# Altium PCB ESC_STM32.PcbDoc (part 1 of 2) (continued)
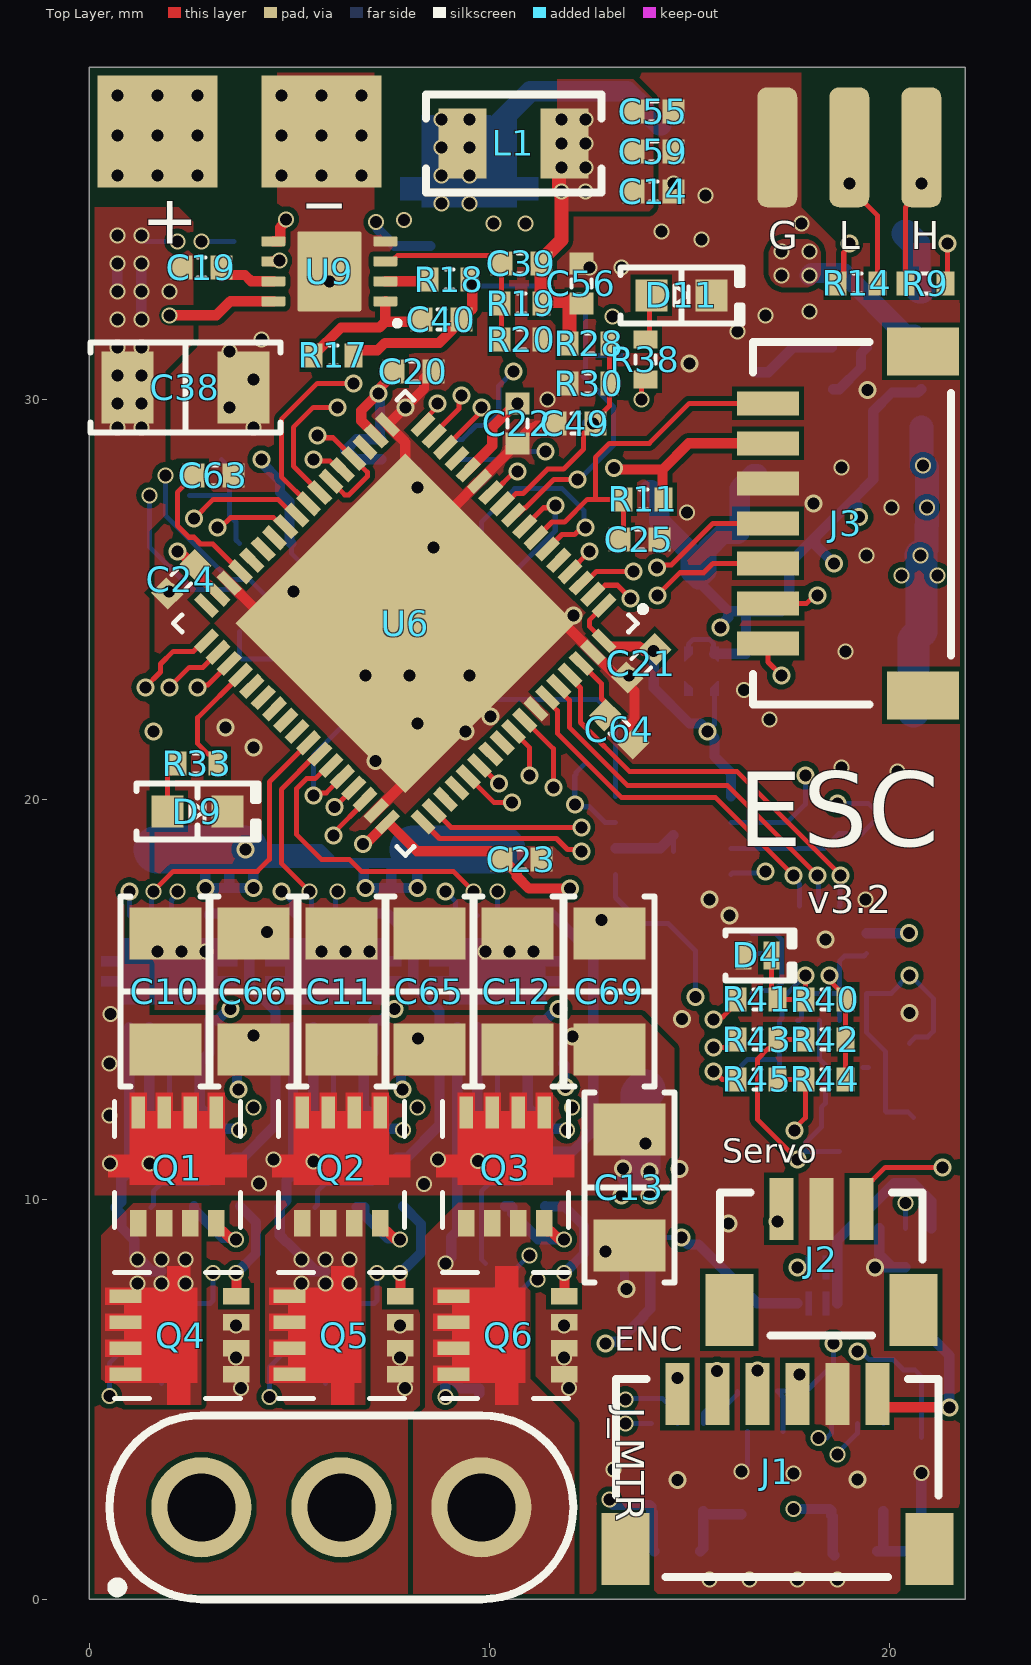
[diagram p0: Top Layer view]
## Part data (continued)
C29 C30 C62: library part C0603B476M007T, "CAP CER 47UF 6.3V X5R 0603", Capacitance="47 µF", Device Package="0603 (1608 Metric)", Manufacturer="Holy Stone Enterprise Co., Ltd.", Operating Temperature="-55°C ~ 85°C", Supplier Part Number 1=4587-C0603B476M007TCT-ND, Temperature Coefficient=X5R, Tolerance=±20%, Voltage - Rated=6.3V, Applications="SMPS Filtering", ComponentLink1Description=Datasheet, ComponentLink1URL=https://media.digikey.com/pdf/Data%20Sheets/Holy%20Stone/HCC_Series_DS.pdf, ComponentLink2Description="DigiKey Link", ComponentLink2URL=https://www.digikey.com/en/products/detail/holy-stone-enterprise-co-ltd/C0603B476M007T/16895203, LastUpdated="2/9/2024 8:09:41 PM", Lifecycle Status=Active, Minimum Order=1, Mounting Type="Surface Mount, MLCC", Package / Case="0603 (1608 Metric)", Packaging=TapeAndReel, Part Number=C0603B476M007T, Part Status=Active, PartId=48531, Price=0.12, Series=HCC, Size / Dimension="0.063\" L x 0.031\" W (1.60mm x 0.80mm)", Supplier 1=DigiKey, Thickness (Max)="0.039\" (1.00mm)"
C31: library part C0402C104K4RACAUTO, "CAP CER 0.1UF 16V X7R 0402", Device Package="0402 (1005 Metric)", Manufacturer=KEMET, Operating Temperature="-55°C ~ 125°C", Ratings=AEC-Q200, Supplier Part Number 1=399-6828-1-ND, Temperature Coefficient=X7R, Tolerance=±10%, Voltage - Rated=16V, Applications="Automotive, Bypass, Decoupling", Capacitance="0.1 µF", ComponentLink1Description=Datasheet, ComponentLink1URL=https://api.kemet.com/component-edge/download/specsheet/C0402C104K4RACAUTO.pdf, ComponentLink2Description="DigiKey Link", ComponentLink2URL=https://www.digikey.com/en/products/detail/kemet/C0402C104K4RACAUTO/3314827, LastUpdated="2/9/2024 8:04:35 PM", Lifecycle Status=Active, Minimum Order=1, Mounting Type="Surface Mount, MLCC", Package / Case="0402 (1005 Metric)", Packaging=TapeAndReel, Part Number=C0402C104K4RACAUTO, Part Status=Active, PartId=3024, Price=0.01, Series="SMD Auto X7R", Size / Dimension="0.039\" L x 0.020\" W (1.00mm x 0.50mm)", Supplier 1=DigiKey, Thickness (Max)="0.022\" (0.55mm)"
D1 D12: "DIODE GEN PURP 400V 1A DO219AB", Capacitance @ Vr, F="7.5pF @ 4V, 1MHz", Current - Average Rectified (Io)=1A, Current - Reverse Leakage @ Vr="5µA @ 400V", Manufacturer="Vishay Semiconductor Diodes Division", Operating Temperature - Junction="-55°C ~ 175°C", Package / Case=DO-219AB, Supplier Device Package="DO-219AB (SMF)", Supplier Part Number 1=SE10FGHM3/HGICT-ND, Voltage - DC Reverse (Vr) (Max)=400V, Voltage - Forward (Vf) (Max) @ If="1.05V @ 1A", ComponentLink1Description=Datasheet, ComponentLink1URL=http://www.vishay.com/docs/87722/se10fd-se10fg-se10fj.pdf, ComponentLink2Description="DigiKey Link", ComponentLink2URL=http://digikey.com/product-detail/en/vishay-semiconductor-diodes-division/SE10FGHM3-H/SE10FGHM3-HGICT-ND/8565217, Diode Type=Standard, LastUpdated="6/3/2024 8:05:29 PM", Lifecycle Status=Active, Minimum Order=1, Mounting Type="Surface Mount", Packaging=TapeAndReel, Part Number=SE10FGHM3/H, Part Status=Active, PartId=1227, Price=0.10, Reverse Recovery Time (trr)=780ns, Series="Automotive, AEC-Q101", Speed="Standard Recovery >500ns, > 200mA (Io)", Supplier 1=DigiKey
D2 D3 D4 D5 D6: "TVS DIODE 3.3V 14.2PF DFN1006", Capacitance @ Frequency="11.5pF @ 1MHz", Current - Peak Pulse (10/1000µs)="8A (8/20µs)", Device Package="0402 (1005 Metric)", Manufacturer="INPAQ Technology Co., Ltd", Operating Temperature="150°C (TJ)", Power Line Protection=No, Supplier Device Package=DFN1006, Supplier Part Number 1=3526-TVN3V3B1S-DFN1006-2LDGCT-ND, Voltage - Breakdown (Min)=4V, Voltage - Clamping (Max) @ Ipp="6.6V (Typ)", Voltage - Reverse Standoff (Typ)="3.3V (Max)", Applications="General Purpose", Bidirectional Channels=1, ComponentLink1Description=Datasheet, ComponentLink1URL=https://mm.digikey.com/Volume0/opasdata/d220001/medias/docus/5383/TVN3V3B1S-DFN1006-2LDG.pdf, ComponentLink2Description="DigiKey Link", ComponentLink2URL=https://www.digikey.com/en/products/detail/inpaq-technology-co-ltd/TVN3V3B1S-DFN1006-2LDG/20486686, LastUpdated="6/3/2024 8:22:57 PM", Lifecycle Status=Active, Minimum Order=1, Mounting Type="Surface Mount", Package / Case="0402 (1005 Metric)", Packaging=TapeAndReel, Part Number=TVN3V3B1S-DFN1006-2LDG, PartId=11821, Price=0.02, Series=TVN, Supplier 1=DigiKey, Type=Zener
D9 D11: library part XZCDGK53W-8VF, "LED GREEN CLEAR 2SMD", Current - Test=2mA, Device Package="0603 (1608 Metric)", Lens Color=Colorless, Manufacturer=SunLED, Millicandela Rating=417mcd, Supplier Device Package=2-SMD, Supplier Part Number 1=1497-XZCDGK53W-8VFCT-ND, Voltage - Forward (Vf) (Typ)=2.65V, Color=Green, ComponentLink1Description=Datasheet, ComponentLink1URL=https://www.sunledusa.com/products/spec/XZCDGK53W-8VF.pdf, ComponentLink2Description="DigiKey Link", ComponentLink2URL=https://www.digikey.com/en/products/detail/sunled/XZCDGK53W-8VF/10449775, Configuration=Independent, Height (Max)=1.10mm, LastUpdated="6/3/2024 7:58:52 PM", Lens Size="0.35mm Dia", Lens Style="Round with Domed Top", Lens Transparency=Clear, Lifecycle Status=Active, Minimum Order=1, Mounting Type="Surface Mount", Package / Case="0603 (1608 Metric)", Packaging=TapeAndReel, Part Number=XZCDGK53W-8VF, Part Status=Active, PartId=938, Price=0.15, Series="Ultra Low Current", Size / Dimension="1.60mm L x 0.80mm W", Supplier 1=DigiKey, Viewing Angle=60°, Wavelength - Dominant=525nm, Wavelength - Peak=515nm
J1: "CONN HEADER SMD R/A 6POS 1MM", Current Rating (Amps)=0.7A, Insulation Color=Natural, Manufacturer="JST Sales America Inc.", Material Flammability Rating="UL94 V-0", Operating Temperature="-25°C ~ 85°C", Supplier Part Number 1=455-1806-1-ND, Voltage Rating=50V, ComponentLink1Description=Datasheet, ComponentLink1URL=http://www.jst-mfg.com/product/pdf/eng/eSH.pdf, ComponentLink2Description="DigiKey Link", ComponentLink2URL=http://digikey.com/product-detail/en/jst-sales-america-inc/SM06B-SRSS-TB-LF-SN/455-1806-1-ND/926877, Connector Type=Header, Contact Finish - Mating=Tin, Contact Finish - Post=Tin, Contact Material="Copper Alloy", Contact Shape=Square, Contact Type="Male Pin", Fastening Type=Push-Pull, Features="Solder Retention", Insulation Height="0.114\" (2.90mm)", Insulation Material="Polyamide (PA), Nylon", LastUpdated="1/12/2020 11:42:14 PM", Lifecycle Status=Active, Minimum Order=1, Mounting Type="Surface Mount, Right Angle", Number of Positions=6, Number of Positions Loaded=All, Number of Rows=1, Packaging=TapeAndReel, Part Number=SM06B-SRSS-TB(LF)(SN), Part Status=Active, PartId=64, Pitch - Mating="0.039\" (1.00mm)", Price=0.36, Series=SR, Shrouding="Shrouded - 4 Wall", Style="Board to Cable/Wire", Supplier 1=DigiKey, Termination=Solder
J2: "CONN HEADER SMD 3POS 1MM", Current Rating (Amps)=0.7A, Insulation Color=Natural, Manufacturer="JST Sales America Inc.", Material Flammability Rating="UL94 V-0", Operating Temperature="-25°C ~ 85°C", Supplier Part Number 1=455-1789-1-ND, Voltage Rating=50V, ComponentLink1Description=Datasheet, ComponentLink1URL=http://www.jst-mfg.com/product/pdf/eng/eSR.pdf, ComponentLink2Description="DigiKey Link", ComponentLink2URL=http://digikey.com/product-detail/en/jst-sales-america-inc/BM03B-SRSS-TB-LF-SN/455-1789-1-ND/926860, Connector Type=Header, Contact Finish - Mating=Tin, Contact Finish - Post=Tin, Contact Material="Copper Alloy", Contact Shape=Square, Contact Type="Male Pin", Fastening Type=Push-Pull, Features="Solder Retention", Insulation Height="0.167\" (4.25mm)", Insulation Material="Polyamide (PA), Nylon", LastUpdated="1/12/2020 10:12:14 PM", Lifecycle Status=Active, Minimum Order=1, Mounting Type="Surface Mount", Number of Positions=3, Number of Positions Loaded=All, Number of Rows=1, Packaging=TapeAndReel, Part Number=BM03B-SRSS-TB(LF)(SN), Part Status=Active, PartId=14, Pitch - Mating="0.039\" (1.00mm)", Price=0.24, Series=SR, Shrouding="Shrouded - 4 Wall", Style="Board to Cable/Wire", Supplier 1=DigiKey, Termination=Solder
J3: "CONN HEADER SMD R/A 7POS 1MM", Current Rating (Amps)=0.7A, Insulation Color=Natural, Manufacturer="JST Sales America Inc.", Material Flammability Rating="UL94 V-0", Operating Temperature="-25°C ~ 85°C", Supplier Part Number 1=455-1807-1-ND, Voltage Rating=50V, ComponentLink1Description=Datasheet, ComponentLink1URL=http://www.jst-mfg.com/product/pdf/eng/eSH.pdf, ComponentLink2Description="DigiKey Link", ComponentLink2URL=http://digikey.com/product-detail/en/jst-sales-america-inc/SM07B-SRSS-TB-LF-SN/455-1807-1-ND/926878, Connector Type=Header, Contact Finish - Mating=Tin, Contact Finish - Post=Tin, Contact Material="Copper Alloy", Contact Shape=Square, Contact Type="Male Pin", Fastening Type=Push-Pull, Features="Solder Retention", Insulation Height="0.114\" (2.90mm)", Insulation Material="Polyamide (PA), Nylon", LastUpdated="1/12/2020 11:42:26 PM", Lifecycle Status=Active, Minimum Order=1, Mounting Type="Surface Mount, Right Angle", Number of Positions=7, Number of Positions Loaded=All, Number of Rows=1, Packaging=TapeAndReel, Part Number=SM07B-SRSS-TB(LF)(SN), Part Status=Active, PartId=65, Pitch - Mating="0.039\" (1.00mm)", Price=0.39, Series=SR, Shrouding="Shrouded - 4 Wall", Style="Board to Cable/Wire", Supplier 1=DigiKey, Termination=Solder
J_MTR: library part CMP-002-00125-1, "Vertical 3 pin barrel connector", Manufacturer=Amass, Max Current Rating=30A, Gender=Female, Pins=3
L1: library part AIML-1008HC-2R2M-T, "FIXED IND 2.2UH 1.5A 90 MOHM SMD", Current Rating (Amps)=1.5A, DC Resistance (DCR)=90mOhm, Device Package="1008 (2520 Metric)", Frequency - Self Resonant=40MHz, Inductance Frequency - Test=1MHz, Manufacturer="Abracon LLC", Operating Temperature="-55°C ~ 125°C", Supplier Part Number 1=535-12795-1-ND, Tolerance=±20%, ComponentLink1Description=Datasheet, ComponentLink1URL=https://abracon.com/Magnetics/inductors/AIML-1008HC.pdf, ComponentLink2Description="DigiKey Link", ComponentLink2URL=http://digikey.com/product-detail/en/abracon-llc/AIML-1008HC-2R2M-T/535-12795-1-ND/5043541, Height - Seated (Max)="0.039\" (1.00mm)", Inductance=2.2µH, LastUpdated="9/2/2020 1:29:58 AM", Lifecycle Status=Active, Material - Core=Ferrite, Minimum Order=1, Mounting Type="Surface Mount", Package / Case="1008 (2520 Metric)", Packaging=TapeAndReel, Part Number=AIML-1008HC-2R2M-T, Part Status=Active, PartId=3534, Price=0.12, Series=AIML-1008HC, Shielding=Shielded, Size / Dimension="0.098\" L x 0.079\" W (2.50mm x 2.00mm)", Supplier 1=DigiKey, Supplier Device Package="1008 (2520 Metric)", Type=Multilayer
L2: library part MLP2520S4R7ST0S1, "FIXED IND 4.7UH 1A 110 MOHM SMD", Current Rating (Amps)=1A, DC Resistance (DCR)="143mOhm Max", Device Package="1008 (2520 Metric)", Inductance Frequency - Test=2MHz, Manufacturer="TDK Corporation", Operating Temperature="-40°C ~ 125°C", Supplier Part Number 1=445-6378-1-ND, Tolerance=±20%, ComponentLink1Description=Datasheet, ComponentLink1URL=https://product.tdk.com/info/en/catalog/datasheets/inductor_commercial_power_mlp2520_en.pdf?ref_disty=digikey, ComponentLink2Description="DigiKey Link", ComponentLink2URL=http://digikey.com/product-detail/en/tdk-corporation/MLP2520S4R7ST0S1/445-6378-1-ND/2465705, Height - Seated (Max)="0.039\" (1.00mm)", Inductance=4.7µH, LastUpdated="9/2/2020 1:29:23 AM", Lifecycle Status=Active, Material - Core=Ferrite, Minimum Order=1, Mounting Type="Surface Mount", Package / Case="1008 (2520 Metric)", Packaging=TapeAndReel, Part Number=MLP2520S4R7ST0S1, Part Status=Active, PartId=3467, Price=0.14, Series=MLP, Shielding=Shielded, Size / Dimension="0.098\" L x 0.079\" W (2.50mm x 2.00mm)", Supplier 1=DigiKey, Supplier Device Package="1008 (2520 Metric)", Type=Multilayer
Q1 Q2 Q3 Q4 Q5 Q6 Q7: "N-FET"
R1 R2 R4 R6 R7 R9 R10 R11 R12 R13 R14 R15 R16 R17 R18 R19 R20 R21 R22 R23 R24 R27 R28 R29 R30 R32 R33 R34 R35 R38 R40 R41 R42 R43 R44 R45 R46 R47 R48: library part RES_0402, "RES 0402"
R3: library part CMP-009-00189-2, "Res 60.4 Ohm 1% 1/8W 0805", Case/Package=0805, Power=125mW, Tolerance=1%, AECQ=Yes, Manufacturer Part Number=TFA0805R60R4F-T5, Mounting Technology=SMD, Pins=2
R5 R8 R31: library part KRL1632E-M-R039-F-T5, "RES 0.039 OHM 1% 3/4W 1206", Device Package="1206 (3216 Metric)", Manufacturer=Susumu, Operating Temperature="-55°C ~ 155°C", Power (Watts)="0.75W, 3/4W", Ratings=AEC-Q200, Resistance="39 mOhms", Supplier Device Package=1206, Supplier Part Number 1=408-1577-1-ND, Temperature Coefficient=±50ppm/°C, Tolerance=±1%, ComponentLink1Description=Datasheet, ComponentLink1URL=http://www.susumu.co.jp/common/pdf/n_catalog_partition09_en.pdf, ComponentLink2Description="DigiKey Link", ComponentLink2URL=https://www.digikey.com/en/products/detail/susumu/KRL1632E-M-R039-F-T5/3738003, Composition="Metal Foil", Features="Automotive AEC-Q200, Current Sense", Height - Seated (Max)="0.028\" (0.70mm)", LastUpdated="2/9/2024 8:54:46 PM", Lifecycle Status=Active, Minimum Order=1, Number of Terminations=2, Package / Case="1206 (3216 Metric)", Packaging=TapeAndReel, Part Number=KRL1632E-M-R039-F-T5, Part Status=Active, PartId=26838, Price=0.09, Series=KRL, Size / Dimension="0.126\" L x 0.063\" W (3.20mm x 1.60mm)", Supplier 1=DigiKey
R25: library part APC0603B1K00N, "1/16 WATTS PRECISION CHIP 1 KILO", Device Package="0603 (1608 Metric)", Manufacturer=Ohmite, Operating Temperature="-55°C ~ 155°C", Power (Watts)="0.063W, 1/16W", Resistance="1 kOhms", Supplier Device Package=0603, Supplier Part Number 1=273-APC0603B1K00NCT-ND, Temperature Coefficient=±25ppm/°C, Tolerance=±0.1%, ComponentLink1Description=Datasheet, ComponentLink1URL=https://www.ohmite.com/assets/docs/APC-1-15.34.pdf, ComponentLink2Description="DigiKey Link", ComponentLink2URL=https://www.digikey.com/en/products/detail/ohmite/APC0603B1K00N/16369506, Composition="Thin Film", Height - Seated (Max)="0.022\" (0.55mm)", LastUpdated="2/9/2024 8:40:40 PM", Lifecycle Status=Active, Minimum Order=1, Number of Terminations=2, Package / Case="0603 (1608 Metric)", Packaging=TapeAndReel, Part Number=APC0603B1K00N, Part Status=Active, PartId=78336, Price=0.05, Series=APC, Size / Dimension="0.061\" L x 0.031\" W (1.55mm x 0.80mm)", Supplier 1=DigiKey
U1 U2 U3: library part UCC27282DRCR, "3-A, 120-V half bridge gate driver with 5-V UVLO, interlock and enable 10-VSON -40 to 125", Package="VSON-10 Texas Instruments", Availability=Warning, DigiKey-Purchase-URL=https://snapeda.com/shop?store=DigiKey&id=3625400, MF="Texas Instruments", MP=UCC27282DRCR, Price=None, SnapEDA_Link=https://www.snapeda.com/parts/UCC27282DRCR/Texas%20Instruments/view-part/3625400/?ref=snap, Texas_Instruments-Purchase-URL=https://snapeda.com/shop?store=Texas+Instruments&id=3625400
U4 U5: "I2C TEMP SENSOR"
U7 U8 U14: "INA185A2"
U9: "PFET Buck Controller"
U10: library part AP63205WU-7, "5V fixed step down Buck"
U11 U12: library part TLV74033PDQNR
U13: library part LM2901Q4T, "Comparator General Purpose CMOS, DTL, MOS, Open-Collector, TTL 16-QFN (3x3)"
U15: library part TPS22810DRVR, "Load switch TPS22810DRVR"
U16: library part CMP-031-00007-3, "Interface Circuit, PDSO8", Case/Package="8-HVSON (3x3)", Max Operating Temperature=150°C, Min Operating Temperature=-40°C, AECQ=Yes, Pins=8
Y1: library part ASD3-27.000MHZ-EC-T, "XTAL OSC XO 27.0000MHZ HCMOS SMD", Current - Supply (Max)=4mA, Frequency Stability=±50ppm, Manufacturer="Abracon LLC", Operating Temperature="-20°C ~ 70°C", Package / Case="4-SMD, No Lead", Supplier Part Number 1=535-9608-1-ND, Voltage - Supply=1.8V, Base Resonator=Crystal, ComponentLink1Description=Datasheet, ComponentLink1URL=https://abracon.com/Oscillators/ASDseries.pdf, ComponentLink2Description="DigiKey Link", ComponentLink2URL=http://digikey.com/product-detail/en/abracon-llc/ASD3-27.000MHZ-EC-T/535-9608-1-ND/1237075, Frequency=27MHz, Function=Enable/Disable, Height - Seated (Max)="0.039\" (1.00mm)", LastUpdated="6/3/2024 8:02:05 PM", Lifecycle Status=Active, Minimum Order=1, Mounting Type="Surface Mount", Output=HCMOS, Packaging=TapeAndReel, Part Number=ASD3-27.000MHZ-EC-T, Part Status=Active, PartId=4, Price=1.74, Series=ASD, Size / Dimension="0.098\" L x 0.079\" W (2.50mm x 2.00mm)", Supplier 1=DigiKey, Type="XO (Standard)"

## Free pads (board coordinates)
  rect 3x3 smd far side: 1(1.7,36.6) 1(5.8,36.6)
  rect 3x2.8 smd: 1(1.7,36.7) 1(5.8,36.7)
  rrect50% 1x3 smd: 1(17.2,36.3) 1(19,36.3) 1(20.8,36.3)

## Via types
v1: diameter 0.4, hole 0.3, Top Layer to Bottom Layer, tented both sides, 184 vias
v2: diameter 0.45, hole 0.3, Top Layer to Bottom Layer, tented both sides, 135 vias

## Nets (pads, with @x,y where several pads share a name; then routed paths per layer and width w, separated by ;. In a path a pad name is that pad's centre, name@x,y a point inside that pad or via, vN(x,y) a via of type N, cw(c..) or ccw(c..) an arc to the next point about the centre after c; other vN are vias at no path point)
3V3: C17.2 C18.1 C35.2 C37.1 R1.1 R4.1 R21.2 U4.8 U7.3 U8.3 U12.1 | length 27.3
  Layer 4 w0.254: v1(8.9,5.063) 8.905,5.063 9.268,4.7 12.3,4.7 ; v1(17.6,2.26) 13.28,2.26 13.04,2.5 v1(13,2.5) 12.3,3.2 12.3,4.7 ; v2(17.7,8.3) 17.1,8.9 15.4,8.9 v2(12.9,6.4) 12.9,5.3 12.3,4.7
  Bottom Layer w0.254: v1(8.9,5.063) 8.9,5.66 8.92,5.66 9.307,5.273 9.748,5.273 9.75,5.271 U4.8@9.75,5.15 ; v2(12.9,6.4) 12.938,6.438 13.217,6.438 13.86,7.08 13.86,7.1 14.025,7.265 U12.1@14.025,8.17 ; v1(13,2.5) 13.1,2.4 13.1,2.36 14.002,2.36 14.05,2.312 U7.3@14.05,2.2 14.088,2.163 14.088,1.238 R4.1@14.125,1.2 ; v1(17.6,2.26) 18.502,2.26 18.55,2.212 U8.3@18.55,2.2 18.55,2.1 18.587,2.063 18.587,1.138 R1.1@18.625,1.1
3V3_MCU: C16.2 C20.2 C21.2 C22.2 C23.2 C24.2 C33.2 C41.2 C50.1 C58.2 J3.2 R11.2 R23.1 U5.7 U5.8 U6.1 U6.13 U6.19 U6.33 U6.51 U6.68 U11.1 U13.1 U14.3 U16.5 Y1.4 | length 48.2
  Top Layer w0.127: U6.68@12.867,23.958 12.5,24.325 12.5,24.475 U6.1@12.867,24.842
  Top Layer w0.254: v2(2.2,26.2) 2.253,26.2 C24.2@2.599,25.854 ; C24.2@2.654,25.854 2.654,25.687 U6.33@3.215,25.125 ; v2(6.848,18.885) 6.886,18.922 6.947,18.922 U6.51@7.458,19.433 8.191,18.7 10.038,18.7 10.045,18.693 10.187,18.693 10.36,18.52 10.36,18.5 10.36,18.48 10.686,18.154 10.686,18.075 10.994,17.767 v2(12.016,17.767) ; U6.19@7.175,29.085 7.175,29.087 6.8,29.463 6.8,29.72 7.268,30.188 7.268,30.288 7.66,30.68 C20.2@7.66,30.7 ; U6.13@9.473,28.236 10.075,28.837 10.075,29.3 10.675,29.9 v2(10.7,29.9) ; U6.68@12.867,23.958 13.006,23.819 13.758,23.819 13.866,23.711 v2(14.111,23.711) ; v2(13.12,28.28) 13.157,28.243 14.328,28.243 ; R11.2@14.35,27.5 14.328,27.522 14.328,28.243 ; J3.2@16.968,28.9 14.986,28.9 14.328,28.243
  Layer 3 w0.254: v2(10.7,29.9) 10.7,29.847 11.04,29.507 11.04,29.5 11.189,29.351 11.749,29.351 12.2,28.9 12.5,28.9 v2(13.12,28.28)
  Layer 4 w0.254: v2(14.111,23.711) 14.111,22.489 17.8,18.8 19.2,18.8 20.496,17.504 v2(20.496,16.657)
  Bottom Layer w0.127: U14.3@5.05,26.4 5.05,26.15 5.965,25.235 Y1.4@7.235,25.235 ; v2(15.46,21.7) 15.625,21.865 U11.1@15.625,22.77
  Bottom Layer w0.254: v2(4.3,28.5) 4.3,28.425 4.767,27.958 4.767,27.673 4.94,27.5 5.002,27.438 5.002,26.448 U14.3@5.05,26.4 ; C16.2@6.4,28.74 C16.2@6.42,28.74 ; v2(7.23,30.15) 7.265,30.115 7.265,29.002 U5.8@7.267,29 ; U5.7@7.3,28.5 6.66,28.5 C16.2@6.42,28.74 ; U5.8@7.3,29 U5.8@7.267,29 ; v2(14.111,23.711) 14.111,22.789 15.007,21.893 15.287,21.893 15.46,21.72 v2(15.46,21.7) 15.633,21.527 15.633,21.067 16.045,20.655 U16.5@16.045,20.075 ; U13.1@19.435,16.65 19.438,16.653 20.493,16.653 v2(20.496,16.657) C41.2@20.5,16.66 ; C16.2@6.42,28.74 6.68,29 U5.8@7.267,29
5V: C28.2 C29.2 C32.2 C34.2 C62.2 C73.1 J2.1 L2.2 R22.2 U10.1 U11.3 U11.4 U12.3 U12.4 U16.3 | length 75.7
  Top Layer w0.127: J2.1@19.3,9.763 19.3,10.238 19.536,10.474 19.574,10.474 19.9,10.8 v2(21.331,10.8)
  Layer 4 w0.127: v2(12.137,19.876) 12.088,19.876 11.5,19.288 11.5,17.5 12.5,16.5 15.4,16.5 16.98,14.92 16.98,10
  Layer 4 w0.254: v2(14.8,9.04) 15.76,10 16.98,10 18.2,10 19.2,9 20.7,9 21.3,9.6 21.3,23.216 v2(18.615,25.9) ; v2(15.784,24.3) 17.384,25.9 v2(18.615,25.9) ; v2(19.244,27.056) 18.653,26.465 18.653,25.938 v2(18.615,25.9)
  Bottom Layer w0.127: C73.1@12.4,20.9 12.164,20.664 12.164,20.616 12.137,20.589 v2(12.137,19.876) 12.198,19.814 12.506,19.814 12.895,19.425 U16.3@13.155,19.425 ; U12.3@13.375,9.03 13.375,9.275 13.5,9.4 13.9,9.4 14.025,9.275 U12.4@14.025,9.03 14.035,9.04 v2(14.8,9.04) ; U11.3@14.975,23.63 14.975,23.875 15.1,24 15.5,24 15.6,23.9 15.6,23.655 U11.4@15.625,23.63
  Bottom Layer w0.254: v2(14.8,9.04) 14.973,8.867 15.233,8.867 16.7,7.4 R22.2@17.7,7.4 ; C29.2@15.225,25.5 15.225,25.45 15.975,24.7 ; U11.4@15.625,23.63 15.635,23.64 C32.2@16.4,23.64 ; v2(15.784,24.3) 15.784,24.353 15.975,24.544 15.975,24.7 ; C32.2@16.42,23.64 C32.2@16.4,23.64 ; v2(18.615,25.9) 18.15,26.366 18.15,26.55 ; v2(19.244,27.056) 19.206,27.094 19.206,27.36 19.083,27.483 ; U10.1@20.8,30.25 20.72,30.17 20.068,30.17 19.6,29.703 19.6,28 19.083,27.483 ; 15.975,24.7 16.42,24.7 ; C32.2@16.4,23.64 16.42,23.66 16.42,24.7 ; 16.42,24.7 17.3,24.7 17.5,24.9 17.5,25.9 18.15,26.55 ; 18.15,26.55 19.083,27.483
  Bottom Layer w0.512: C62.2@14,27.725 14.05,27.725 14.244,27.531 14.244,26.956 15.031,26.169 15.031,25.694 C29.2@15.225,25.5 15.419,25.694 15.419,26.219 15.836,26.636 16.216,26.636 16.26,26.68 C28.2@16.26,26.7 16.26,27.781 16.604,28.125 L2.2@16.7,28.125
5VREG_BST: C26.1 U10.6 | length 1.5
  Bottom Layer w0.254: U10.6@18.6,30.25 18.75,30.25 19.295,30.795 19.295,31.155 C26.1@19.44,31.3
5VREG_SW: C26.2 L2.1 U10.5 | length 2.1
  Bottom Layer w0.254: L2.1@16.7,30.675 16.975,30.675 17.6,31.3 C26.2@18.56,31.3
12V: C2.1 C3.1 C5.1 C6.1 C8.1 C9.1 C14.2 C27.2 C30.2 C31.2 C39.2 C54.2 C55.2 C56.2 C59.2 C61.2 L1.2 R19.1 R28.2 U1.1 U1.6 U2.1 U2.6 U3.1 U3.6 U10.2 U10.3 | length 45.7
  Top Layer w0.35: C39.2@11.24,33.4 11.24,33.42 C39.2@11.3,33.48 ; v1@11.74,35.2 11.74,35.9 11.8,35.84 v1(11.8,35.8) ; v1(11.8,35.2) 11.847,35.153 11.803,35.153 11.803,33.983 C39.2@11.3,33.48 ; R28.2@12,31.4 C56.2@12,32.46 ; C56.2@12.3,32.46 C56.2@12,32.46 ; C39.2@11.3,33.48 R19.1@11.3,32.4 11.36,32.46 C56.2@12,32.46
  Layer 3 w0.127: v2(1,17.7) 1.6,17.1 4.8,17.1 ; v2(4.8,17.7) 4.8,17.1 ; v2(8.9,17.7) 8.3,17.1 4.8,17.1
  Layer 3 w0.6: v1(20.775,26.1) 20.775,26.075 v1(20.3,25.6) v1(21.2,25.6) 20.845,25.955 v1(20.845,28.35)
  PWR 2 w0.254: 8.9,14.6 v2(8.9,17.7)
  PWR 2 w0.35: v1(13.086,32.064) 14.7,32.064
  Bottom Layer w0.127: U1.6@1,17.1 v2(1,17.7) ; v2(4.8,17.7) 5.051,17.449 5.051,17.149 U2.6@5.1,17.1 ; v2(8.9,17.7) 9.151,17.449 9.151,17.149 U3.6@9.2,17.1
  Bottom Layer w0.254: v2(3.53,14.752) 3.477,14.752 3.198,14.473 3.007,14.473 3,14.466 U1.1@3,14.3 3,13.66 2.76,13.42 2.76,13.4 2.76,12.4 2.76,12.301 3.295,11.766 3.7,11.766 v1(3.737,11.728) ; U2.1@7.1,14.3 7.1,13.66 6.86,13.42 6.86,13.4 6.86,12.4 6.86,12.301 7.395,11.766 7.8,11.766 v1(7.837,11.728) ; U2.1@7.107,14.473 7.298,14.473 v2@7.577,14.752 ; U3.1@11.2,14.3 11.2,13.66 10.96,13.42 10.96,12.301 11.495,11.766 11.9,11.766 v1(11.937,11.728) ; U3.1@11.207,14.473 11.398,14.473 v2@11.677,14.752 ; C30.2@20.7,26.025 v1(20.775,26.1)
  Bottom Layer w0.6: v1(20.775,26.1) 20.925,26.25 20.925,26.836 20.94,26.851 v1(20.94,27.3) 20.94,28.3 20.89,28.35 v1(20.845,28.35) U10.3@20.8,28.35 U10.2@20.8,29.3
  Bottom Layer w0.8: C61.2@20.6,22.2 C54.2@20.6,24 20.8,24.2 20.8,26.075 v1(20.775,26.1)
  other v1: 12.4,35.2 12.4,35.8 11.8,36.4 12.4,36.4 11.8,37 12.4,37
  other v2: 7.63,14.752 11.73,14.752
12VREG_ADJ: C40.1 R17.2 U9.1 | length 3.6
  Top Layer w0.254: R17.2@5.6,31.1 6.291,31.791 7.251,31.791 7.4,31.94 ; U9.1@7.4,32.45 7.4,31.94 ; C40.1@8.36,32 8.3,31.94 7.4,31.94
12VREG_FB: C39.1 R19.2 R20.1 U9.3 | length 5
  Top Layer w0.127: U9.3@7.4,33.45 7.575,33.45 7.636,33.512 7.636,33.526 7.711,33.6 10.16,33.6 10.36,33.4 10.3,33.34 R19.2@10.3,32.4 R20.1@10.3,31.5
12VREG_LX: D12.2 L1.1 Q7.5 Q7.6 Q7.7 Q7.8 U9.5 | length 11.4
  Top Layer w0.254: U9.5@4.6,33.95 4.771,33.95 4.773,33.952 4.773,34.299 4.921,34.447 v1(4.921,34.5)
  Layer 3 w0.4: v1(4.921,34.5) 6.4,34.5 7,35.1 8.547,35.1 8.747,34.9 v1(8.8,34.9)
  Bottom Layer w0.254: v1(8.8,36.3) 8.827,36.327 9.132,36.327 9.175,36.37 Q7.6@9.175,36.6 ; v1(9.5,36.3) 9.527,36.327 9.782,36.327 9.825,36.37 Q7.7@9.825,36.6
  Bottom Layer w0.512: Q7.7@9.929,36.6 11.029,37.7 13.45,37.7 13.856,37.294 13.856,37.244 14.25,36.85 D12.2@14.3,36.85
  other v1: 9.5,34.9 8.8,35.6 9.5,35.6 8.8,37 9.5,37
12VREG_PGATE: Q7.4 U9.6 | length 4.5
  Top Layer w0.254: U9.6@4.598,33.452 U9.6@4.6,33.45
  Layer 3 w0.4: v1(4.752,33.471) 6.213,33.471 v1(7.171,34.429)
  Bottom Layer w0.254: v1(7.171,34.429) 7.209,34.392 7.209,34.255 7.634,33.83 Q7.4@8.525,33.83
12VREG_RT: R18.1 U9.2 | length 1
  Top Layer w0.254: U9.2@7.4,32.95 8.375,32.95 R18.1@8.425,33
12VREG_VCC: C19.2 U9.7 | length 1.5
  Top Layer w0.254: C19.2@3.24,33.3 3.24,33.28 3.413,33.107 3.893,33.107 4.048,32.952 4.598,32.952 U9.7@4.6,32.95
CAN_H: pad.1@20.8,36.3 R3.2 R9.2 U16.7 | length 25.2
  Top Layer w0.127: R9.2@20.4,32.9 20.4,34.799 20.8,35.199 v2(20.8,35.4)
  Layer 3 w0.127: v2(18.7,19.9) 18.316,20.285 18.316,23.885 17.5,24.7 17.5,29.1 20,31.6 20,34.6 v2(20.8,35.4)
  Bottom Layer w0.127: U16.7@16.045,18.775 18.375,18.775 18.738,19.139 19.314,19.139 19.675,19.5 R3.2@19.675,19.7 19.475,19.9 v2(18.7,19.9)